# Altium PCB Control Panel PCB v3.PcbDoc (part 1 of 3)
Units mm, origin at the board's own origin, x right, y up, seen from the top; angles counter-clockwise.
Board outline 270.31 x 104.06 mm, 2 copper layers (Top Layer, Bottom Layer); 327 components, 215 nets, 925 pads, 350 vias.
Unrouted connection lines stored in the file: 137.
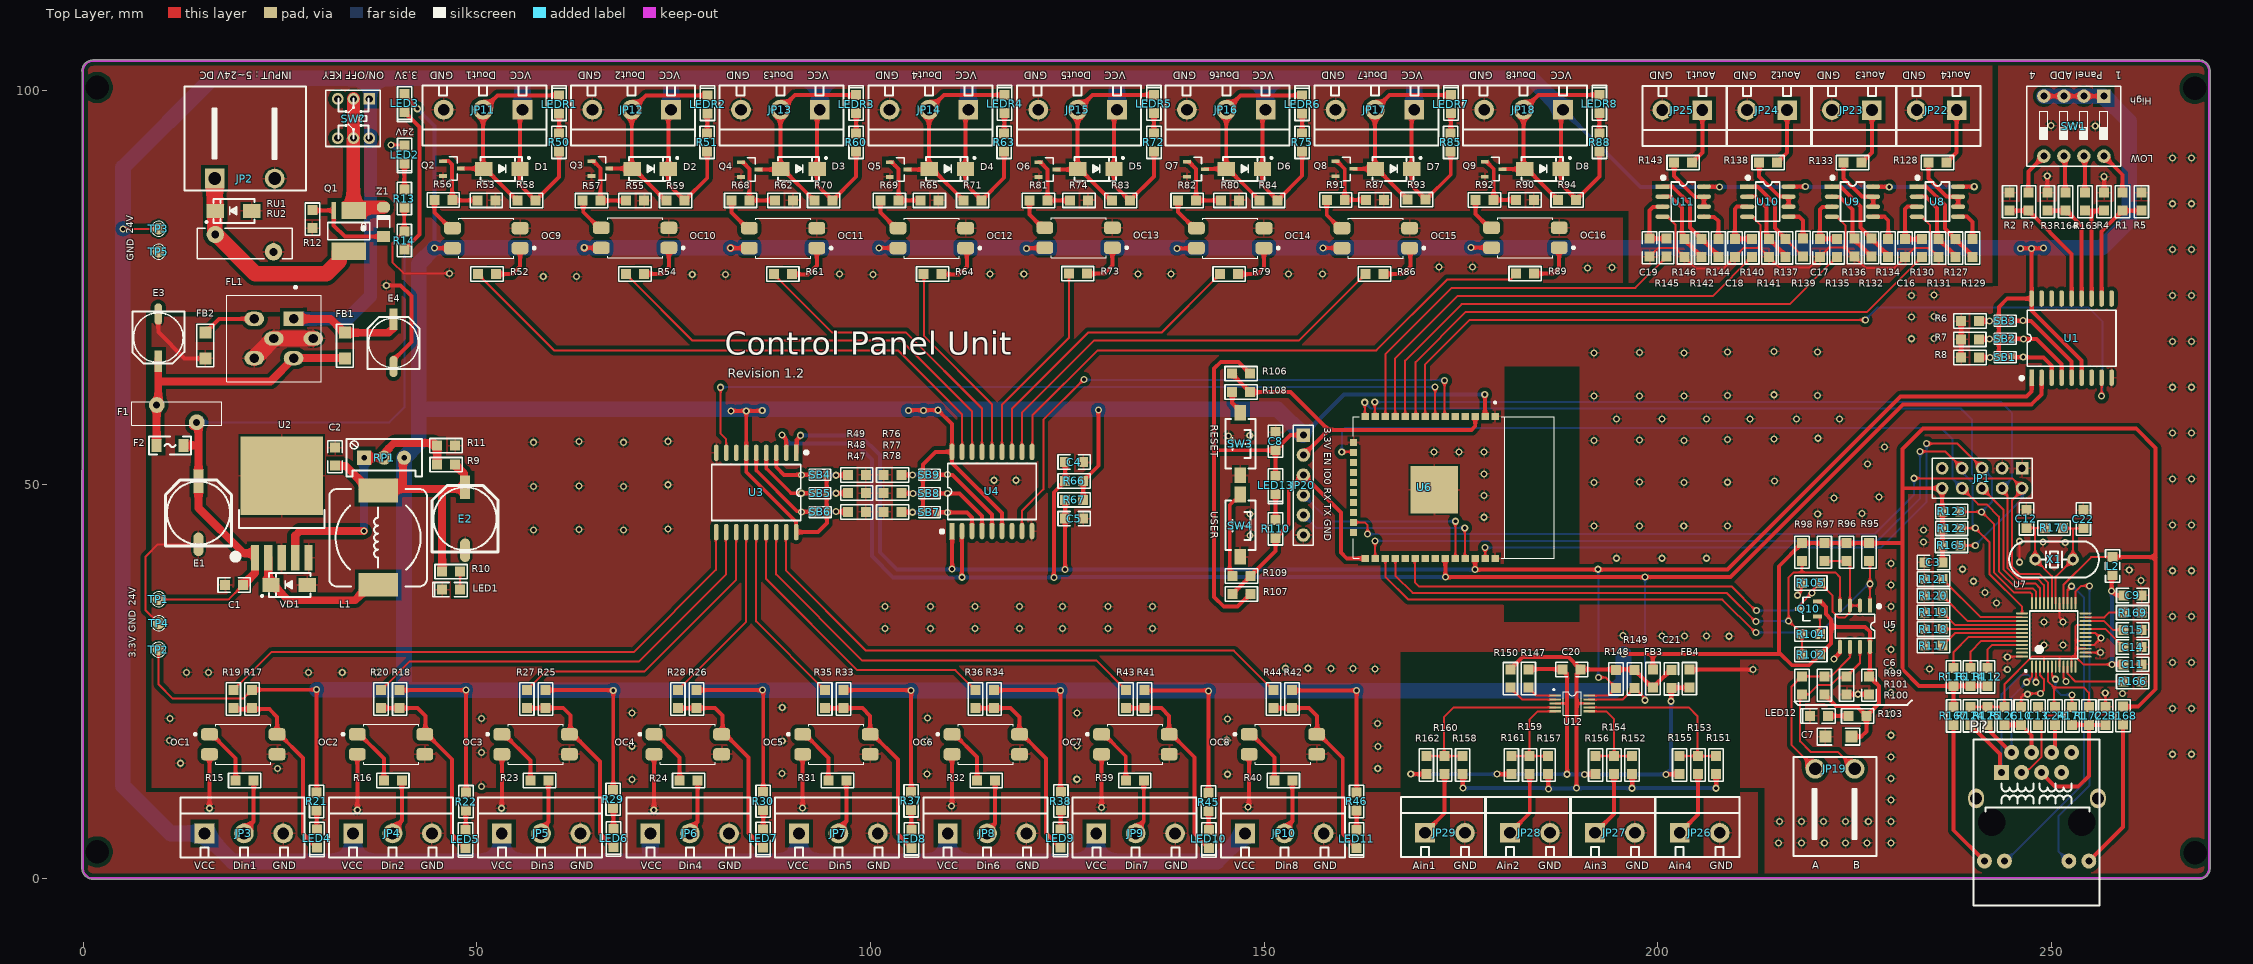
[diagram p0: Top Layer view]
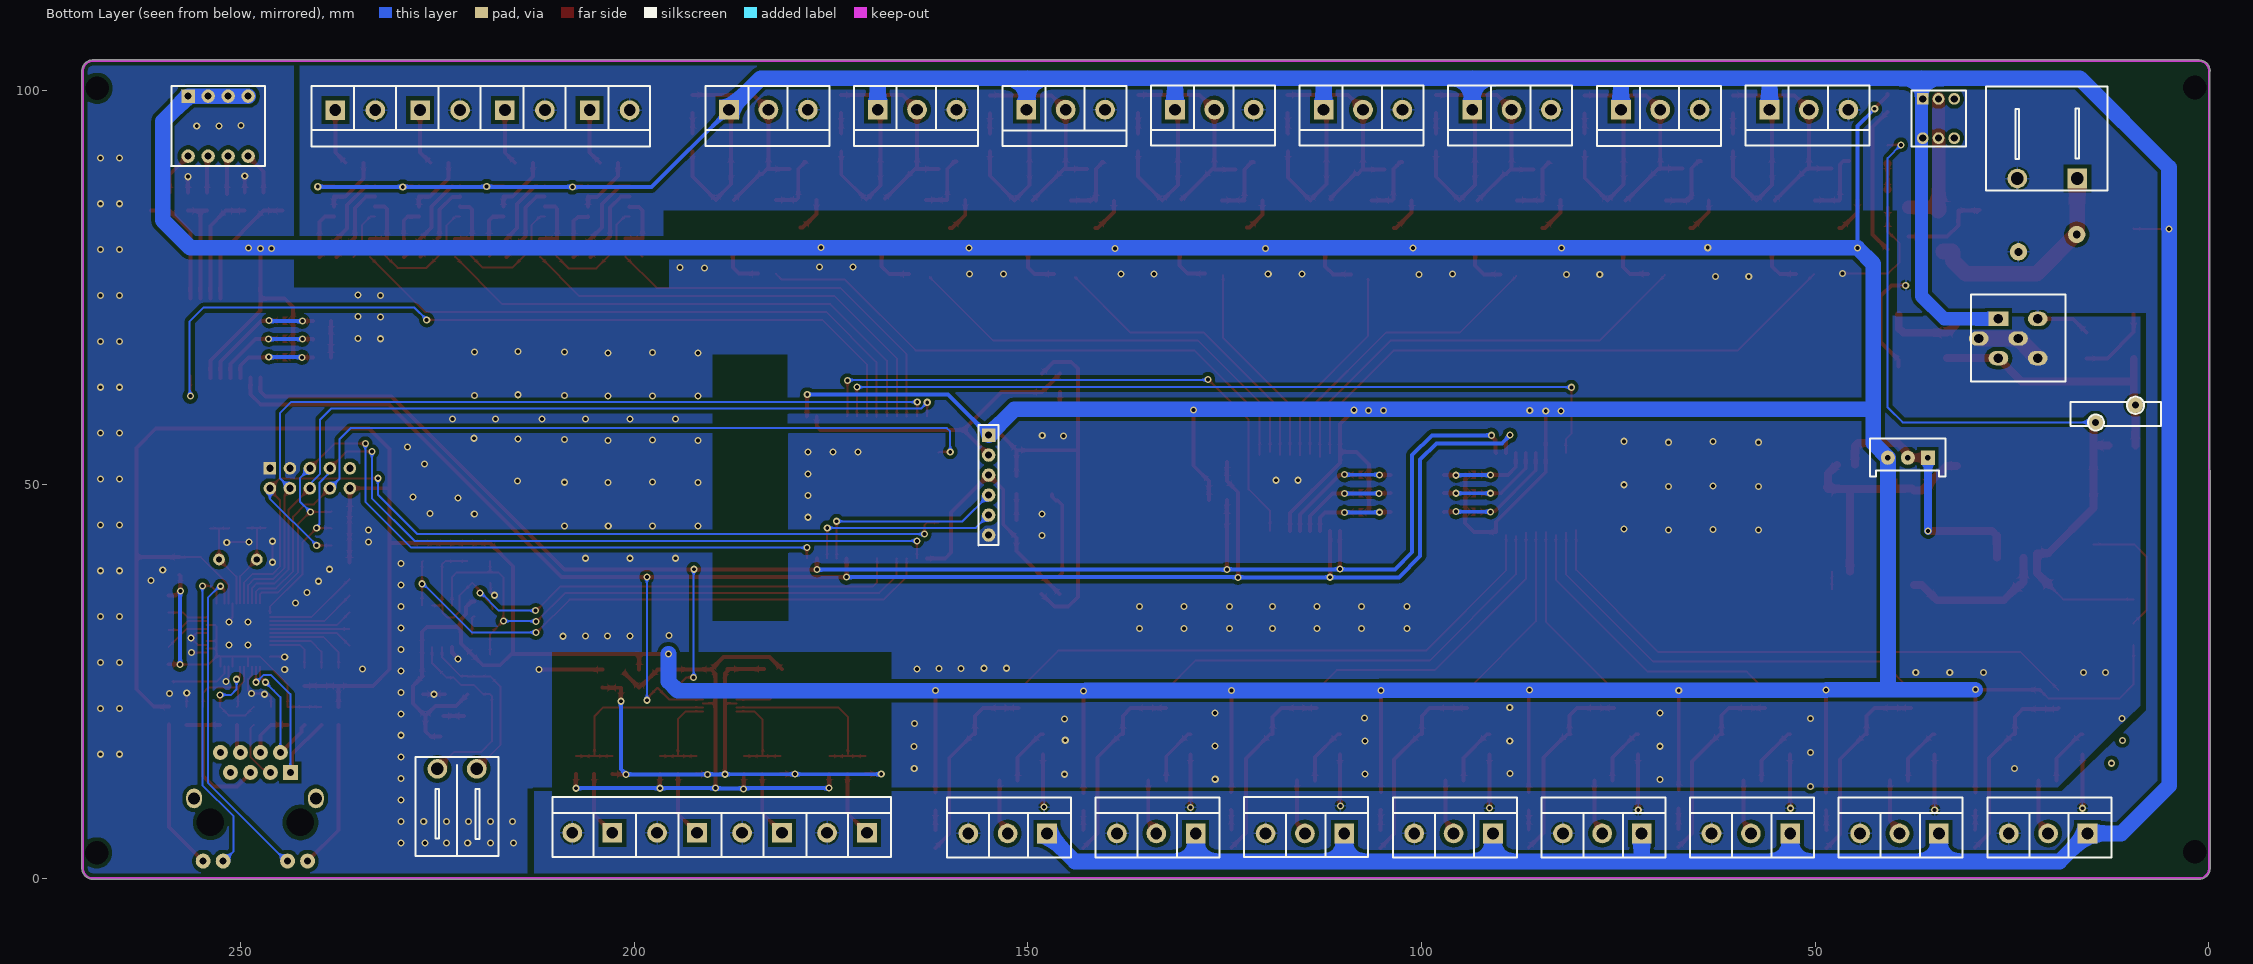
[diagram p1: Bottom Layer view, seen from below]

## Layer stack, top to bottom
Top Solder: solder mask 0.0102, Solder Resist, Dk 3.5
Top Layer: signal copper 0.0356
Dielectric 1: dielectric 0.32, FR-4, Dk 4.8
Bottom Layer: signal copper 0.0356
Bottom Solder: solder mask 0.0102, Solder Resist, Dk 3.5

## Board outline
-0.178,1.271 ccw(c1.206,1.257) 1.115,-0.124 1.143,-0.128 268.732,-0.128 268.737,-0.127 ccw(c268.745,1.257) 270.117,1.072 270.131,1.13 270.131,102.453 270.129,102.552 ccw(c268.745,102.552) 268.836,103.934 268.808,103.937 1.219,103.937 1.141,103.91 ccw(c1.206,102.527) -0.178,102.541 -0.166,102.485

## Design rules (kind name [scope] priority, off if disabled: settings)
Clearance OUT_POLY [InNamedPolygon('GND_BOTTOM') OR InNamedPolygon('GND_TOP')] p1: gap=0.5 ignorepadtopadclearanceinfootprint=FALSE
Clearance Logic_POLY [InNamedPolygon('GND_F_BOTTOM') OR InNamedPolygon('GND_F_TOP')] p2: gap=0.5 ignorepadtopadclearanceinfootprint=FALSE
Clearance [All] p3: gap=0.127 ignorepadtopadclearanceinfootprint=FALSE
ComponentClearance "Schematic Component Clearance Constraint_4" [InComponent('TP5')] p1: gap=0 collisioncheckmode=3 verticalgap=0 showdistances=FALSE
ComponentClearance "Schematic Component Clearance Constraint_3" [InComponent('TP1')] p2: gap=0 collisioncheckmode=3 verticalgap=0 showdistances=FALSE
ComponentClearance "Schematic Component Clearance Constraint_2" [InComponent('TP3')] p3: gap=0 collisioncheckmode=3 verticalgap=0 showdistances=FALSE
ComponentClearance "Schematic Component Clearance Constraint_1" [InComponent('TP4')] p4: gap=0 collisioncheckmode=3 verticalgap=0 showdistances=FALSE
ComponentClearance "Schematic Component Clearance Constraint" [InComponent('TP2')] p5: gap=0 collisioncheckmode=3 verticalgap=0 showdistances=FALSE
ComponentClearance [All] p6: gap=0.254 collisioncheckmode=3 verticalgap=0.254 showdistances=FALSE
HoleSize [All] p1: absolutevalues=TRUE maxlimit=4 minlimit=0.025 maxpercent=80.000 minpercent=20.000
PolygonConnect PolygonConnect_1 [All vs IsNamedPolygon('GND_F_BOTTOM')] p1: connectstyle=Direct reliefconductorwidth=0.254 reliefentries=4 polygonreliefangle="90 Angle" airgapwidth=0.254
PolygonConnect [All] p2: connectstyle=Relief reliefconductorwidth=0.254 reliefentries=4 polygonreliefangle="90 Angle" airgapwidth=0.254
RoutingVias [All] p1: holewidth=0.5 width=0.9 viastyle="Through Hole" minholewidth=0.5 minwidth=0.9 maxholewidth=0.5 maxwidth=0.9
SolderMaskExpansion [All] p1: expansion=0.102 istentingtop=FALSE
Width [All] p1: maxlimit=2 minlimit=0.254 preferedwidth=0.5
28 further rules are at their usual default settings.

## Classes and differential pairs
component class U_W5500: C3 C9 C10 C11 C12 C13 C14 C15 C22 C23 C24 JP1 L2 P? R112 R114 R116 R117 R118 R119 R120 R121 R122 R123 R124 R125 R126 R165 R166 R167 R168 R169 R170 R171 R172 U7 X1
component class "U_Analog Output": C16 C17 C18 C19 JP22 JP23 JP24 JP25 R127 R128 R129 R130 R131 R132 R133 R134 R135 R136 R137 R138 R139 R140 R141 R142 R143 R144 R145 R146 U8 U9 U10 U11
component class "U_Analog Input": C20 C21 FB3 FB4 JP26 JP27 JP28 JP29 R147 R148 R149 R150 R151 R152 R153 R154 R155 R156 R157 R158 R159 R160 R161 R162 U12
component class U_RS485: C6 C7 JP19 LED12 Q10 R95 R96 R97 R98 R99 R100 R101 R102 R103 R104 R105 U5
component class U_ESP32: C8 JP20 LED13 R106 R107 R108 R109 R110 SW3 SW4 U6
component class "U_Power Regulator": C1 C2 E1 E2 E3 E4 F1 F2 FB1 FB2 FL1 JP2 L1 LED1 LED2 LED3 Q1 R9 R10 R11 R12 R13 R14 RP1 RU1 RU2 SW? TP1 TP2 TP3 TP4 TP5 U2 VD1 Z1
component class "U_Digital Output": C4 C5 D1 D2 D3 D4 D5 D6 D7 D8 JP11 JP12 JP13 JP14 JP15 JP16 JP17 JP18 LEDR1 LEDR2 LEDR3 LEDR4 LEDR5 LEDR6 LEDR7 LEDR8 OC9 OC10 OC11 OC12 OC13 OC14 OC15 OC16 Q2 Q3 Q4 Q5 Q6 Q7 Q8 Q9 R50 R51 R52 R53 R54 R55 R56 R57 R58 R59 R60 R61 R62 R63 R64 R65 R66 R67 R68 R69 R70 R71 R72 R73 R74 R75 R76 R77 R78 R79 R80 R81 R82 R83 R84 R85 R86 R87 R88 R89 R90 R91 R92 R93 R94 SB7 SB8 SB9 U4
component class "U_Digital Input": JP3 JP4 JP5 JP6 JP7 JP8 JP9 JP10 LED4 LED5 LED6 LED7 LED8 LED9 LED10 LED11 OC1 OC2 OC3 OC4 OC5 OC6 OC7 OC8 R15 R16 R17 R18 R19 R20 R21 R22 R23 R24 R25 R26 R27 R28 R29 R30 R31 R32 R33 R34 R35 R36 R37 R38 R39 R40 R41 R42 R43 R44 R45 R46 R47 R48 R49 SB4 SB5 SB6 U3
component class Main: R1 R2 R3 R4 R5 R6 R7 R8 R163 R164 R? SB1 SB2 SB3 SW1 U1

## Components (designator, comment, footprint, x,y, rotation, side; value= is the part's Value field where it differs from the comment)
C1 "1uF" "C 0805" 19.156,37.252 r0 top
C2 "1uF" "C 0805" 31.983,53.539 r270 top
C3 "0.1uF" "C 0805" 235.001,40.107 r0 top
C4 "22uF" "C 0805" 125.855,52.857 r180 top
C5 "22uF" "C 0805" 125.855,45.668 r180 top
C6 "0.1uF" "C 0805" 226.827,24.51 r270 top
C7 "10uF" "C 1206" 222.933,17.982 r180 top
C8 "22uF" "C 0805" 151.427,55.506 r90 top
C9 "0.1uF" "C 0805" 260.295,35.916 r180 top
C10 "22nF" "C 0805" 246.146,20.625 r90 top
C11 "0.1uF" "C 0805" 260.295,27.178 r180 top
C12 "18pF" "C 0805" 246.812,45.644 r90 top
C13 "6.8nF" "C 0805" 248.291,20.625 r270 top
C14 "4.7uF" "C 0805" 260.295,29.362 r0 top
C15 "0.01uF" "C 0805" 260.295,31.547 r0 top
C16 "100uF/25V" "C 0805" 231.392,80.034 r270 top
C17 "100uF/25V" "C 0805" 220.571,80.06 r270 top
C18 "100uF/25V" "C 0805" 209.776,80.06 r270 top
C19 "100uF/25V" "C 0805" 198.93,80.085 r270 top
C20 "1uF" "C 0805" 189.05,26.517 r0 top
C21 "1uF" "C 0805" 201.699,25.323 r90 top
C22 "18pF" "C 0805" 254.025,45.618 r90 top
C23 "0.01uF" "C 0805" 256.87,20.625 r90 top
C24 "6.8nF" "C 0805" 250.436,20.625 r270 top
D1 "SS34" SMA 53.16,90.093 r0 top
D2 "SS34" SMA 72.007,90.093 r0 top
D3 "SS34" SMA 90.904,90.093 r0 top
D4 "SS34" SMA 109.751,90.093 r0 top
D5 "SS34" SMA 128.623,90.093 r0 top
D6 "SS34" SMA 147.47,90.093 r0 top
D7 "SS34" SMA 166.418,90.093 r0 top
D8 "SS34" SMA 185.392,90.093 r0 top
E1 "100uF/50V" "CM E(8*10.2)" 14.628,46.405 r90 top
E2 "220uF/35V" "CM E(8*10.2)" 48.493,45.665 r90 top
E3 "10uF" "CM D(6.3*7.7)" 9.523,68.655 r270 top
E4 "22uF" "CM D(6.3*7.7)" 39.393,67.995 r90 top
F1 "PTC" PTC 11.859,59.003 r180 top
F2 "MSMD200-8V 2A" "FU 1206" 11.021,54.965 r180 top
FB1 "?!" "F 1206" 33.221,67.639 r90 top
FB2 "?!" "F 1206" 15.492,67.665 r90 top
FB3 "Value" "F 0805" 199.362,25.348 r270 top
FB4 "Value" "F 0805" 203.985,25.348 r270 top
FL1 "BNX002-01" FIL_BNX002-01 24.204,68.554 r0 top
JP1 "Header 5X2" HDR-5X2 246.253,52.07 r180 top
JP2 "HDR-1X2" KF2EDGK-2P_H_7.62 16.68,88.874 r0 top
JP3 "HDR-1X3" KF301-3P 15.39,5.689 r0 top
JP4 "HDR-1X3" KF301-3P 34.269,5.689 r0 top
JP5 "HDR-1X3" KF301-3P 53.149,5.689 r0 top
JP6 "HDR-1X3" KF301-3P 72.028,5.689 r0 top
JP7 "HDR-1X3" KF301-3P 90.908,5.689 r0 top
JP8 "HDR-1X3" KF301-3P 109.787,5.689 r0 top
JP9 "HDR-1X3" KF301-3P 128.667,5.689 r0 top
JP10 "HDR-1X3" KF301-3P 147.546,5.689 r0 top
JP11 "HDR-1X3" KF301-3P 55.776,97.611 r180 top
JP12 "HDR-1X3" KF301-3P 74.655,97.611 r180 top
JP13 "HDR-1X3" KF301-3P 93.535,97.611 r180 top
JP14 "HDR-1X3" KF301-3P 112.414,97.611 r180 top
JP15 "HDR-1X3" KF301-3P 131.294,97.611 r180 top
JP16 "HDR-1X3" KF301-3P 150.173,97.611 r180 top
JP17 "HDR-1X3" KF301-3P 169.053,97.611 r180 top
JP18 "HDR-1X3" KF301-3P 187.932,97.611 r180 top
JP19 "HDR-1X2" KF2EDGK-2P_H_5.08 224.987,13.893 r180 top
JP20 "HDR-1X6" HDR-1X6 154.957,56.287 r270 top
JP22 "HDR-1X2" KF301-2P 237.945,97.561 r180 top
JP23 "HDR-1X2" KF301-2P 227.175,97.561 r180 top
JP24 "HDR-1X2" KF301-2P 216.406,97.561 r180 top
JP25 "HDR-1X2" KF301-2P 205.636,97.561 r180 top
JP26 "HDR-1X2" KF301-2P 202.766,5.765 r0 top
JP27 "HDR-1X2" KF301-2P 192.005,5.765 r0 top
JP28 "HDR-1X2" KF301-2P 181.201,5.765 r0 top
JP29 "HDR-1X2" KF301-2P 170.406,5.765 r0 top
L1 "470uH" CDRH127 37.444,43.252 r90 top
L2 "1uH" "L 0805" 257.759,39.649 r270 top
LED1 "LED-SMD" "LED 0805R" 46.715,36.648 r180 top
LED2 "LED-SMD" "LED 0805R" 40.815,91.922 r270 top
LED3 "LED-SMD" "LED 0805R" 40.815,98.45 r270 top
LED4 "LED-SMD" "LED 0805B" 29.665,5.054 r270 top
LED5 "LED-SMD" "LED 0805B" 48.537,4.978 r270 top
LED6 "LED-SMD" "LED 0805B" 67.358,5.105 r270 top
LED7 "LED-SMD" "LED 0805B" 86.358,5.054 r270 top
LED8 "LED-SMD" "LED 0805B" 105.204,5.003 r270 top
LED9 "LED-SMD" "LED 0805B" 124.102,5.054 r270 top
LED10 "LED-SMD" "LED 0805B" 142.949,5.003 r270 top
LED11 "LED-SMD" "LED 0805B" 161.719,5.003 r270 top
LED12 "LED-SMD" "LED 0805R" 220.462,20.61 r180 top
LED13 "LED-SMD" "LED 0805B" 151.427,49.93 r270 top
LEDR1 "LED-SMD" "LED 0805B" 60.45,98.297 r90 top
LEDR2 "LED-SMD" "LED 0805B" 79.296,98.297 r90 top
LEDR3 "LED-SMD" "LED 0805B" 98.169,98.323 r90 top
LEDR4 "LED-SMD" "LED 0805B" 117.015,98.348 r90 top
LEDR5 "LED-SMD" "LED 0805B" 135.964,98.348 r90 top
LEDR6 "LED-SMD" "LED 0805B" 154.811,98.297 r90 top
LEDR7 "LED-SMD" "LED 0805B" 173.708,98.323 r90 top
LEDR8 "LED-SMD" "LED 0805B" 192.555,98.348 r90 top
OC1 "817" PC817-SMD 20.318,17.017 r0 top
OC2 "817" PC817-SMD 39.088,17.017 r0 top
OC3 "817" PC817-SMD 57.452,17.017 r0 top
OC4 "817" PC817-SMD 76.782,17.017 r0 top
OC5 "817" PC817-SMD 95.654,17.017 r0 top
OC6 "817" PC817-SMD 114.63,17.017 r0 top
OC7 "817" PC817-SMD 133.627,17.017 r0 top
OC8 "817" PC817-SMD 152.372,17.017 r0 top
OC9 "817" PC817-SMD 51.179,81.305 r180 top
OC10 "817" PC817-SMD 70.084,81.33 r180 top
OC11 "817" PC817-SMD 88.877,81.305 r180 top
OC12 "817" PC817-SMD 107.775,81.305 r180 top
OC13 "817" PC817-SMD 126.419,81.355 r180 top
OC14 "817" PC817-SMD 145.672,81.305 r180 top
OC15 "817" PC817-SMD 164.16,81.305 r180 top
OC16 "817" PC817-SMD 183.162,81.355 r180 top
P? "RJ45" RJ-45A12 241.478,2.184 r270 top
Q1 "FDS4435BZ" SOP8-E3 33.703,82.219 r180 top
Q2 "2N7002-K" SOT23-3L 46.81,90.144 r270 top
Q3 "2N7002-K" SOT23-3L 65.682,90.144 r270 top
Q4 "2N7002-K" SOT23-3L 84.656,90.017 r270 top
Q5 "2N7002-K" SOT23-3L 103.579,90.017 r270 top
Q6 "2N7002-K" SOT23-3L 122.469,90.017 r270 top
Q7 "2N7002-K" SOT23-3L 141.323,90.068 r270 top
Q8 "2N7002-K" SOT23-3L 160.195,90.093 r270 top
Q9 "2N7002-K" SOT23-3L 179.144,90.068 r270 top
Q10 "SS8550" SOT23-3N 219.127,34.21 r90 top
R1 "1K" "R 0805" 259.001,85.927 r270 top
R2 "10K" "R 0805" 244.676,85.927 r270 top
R3 "10K" "R 0805" 249.451,85.927 r270 top
R4 "10K" "R 0805" 256.665,85.928 r270 top
R5 "10K" "R 0805" 261.389,85.928 r90 top
R6 "10K" "R 0805" 239.647,70.764 r0 top
R7 "10K" "R 0805" 239.621,68.452 r0 top
R8 "10K" "R 0805" 239.647,66.141 r180 top
R9 "5.3K" "R 0805" 46.08,52.523 r0 top
R10 "1K" "R 0805" 46.715,38.934 r180 top
R11 "3.3K" "R 0805" 46.073,54.939 r180 top
R12 "1K" "R 0805" 29.106,83.718 r90 top
R13 "10K" "R 0805" 40.765,86.334 r270 top
R14 "1K" "R 0805" 40.764,81 r90 top
R15 "10K" "R 0805" 20.495,12.394 r0 top
R16 "10K" "R 0805" 39.317,12.394 r0 top
R17 "10K" "R 0805" 21.41,22.758 r270 top
R18 "10K" "R 0805" 40.18,22.758 r270 top
R19 "1k" "R 0805" 19.048,22.758 r270 top
R20 "1k" "R 0805" 37.818,22.758 r270 top
R21 "1k" "R 0805" 29.639,9.753 r270 top
R22 "1k" "R 0805" 48.613,9.727 r270 top
R23 "10K" "R 0805" 57.935,12.394 r0 top
R24 "10K" "R 0805" 76.883,12.394 r0 top
R25 "10K" "R 0805" 58.697,22.758 r270 top
R26 "10K" "R 0805" 77.874,22.758 r270 top
R27 "1k" "R 0805" 56.335,22.758 r270 top
R28 "1k" "R 0805" 75.512,22.758 r270 top
R29 "1k" "R 0805" 67.308,10.032 r270 top
R30 "1k" "R 0805" 86.358,9.778 r270 top
R31 "10K" "R 0805" 95.781,12.394 r0 top
R32 "10K" "R 0805" 114.679,12.394 r0 top
R33 "10K" "R 0805" 96.543,22.758 r270 top
R34 "10K" "R 0805" 115.669,22.758 r270 top
R35 "1k" "R 0805" 94.181,22.758 r270 top
R36 "1k" "R 0805" 113.307,22.758 r270 top
R37 "1k" "R 0805" 105.154,9.829 r270 top
R38 "1k" "R 0805" 124.153,9.804 r270 top
R39 "10K" "R 0805" 133.551,12.394 r0 top
R40 "10K" "R 0805" 152.423,12.394 r0 top
R41 "10K" "R 0805" 134.795,22.758 r270 top
R42 "10K" "R 0805" 153.515,22.758 r270 top
R43 "1k" "R 0805" 132.433,22.758 r270 top
R44 "1k" "R 0805" 151.153,22.758 r270 top
R45 "1k" "R 0805" 142.923,9.677 r270 top
R46 "1k" "R 0805" 161.745,9.753 r270 top
R47 "10K" "R 0805" 98.245,46.532 r180 top
R48 "10K" "R 0805" 98.245,48.919 r180 top
R49 "10K" "R 0805" 98.245,51.231 r0 top
R50 "10k" "R 0805" 60.424,93.471 r270 top
R51 "10k" "R 0805" 79.246,93.471 r270 top
R52 "1k" "R 0805" 51.28,76.733 r180 top
R53 "10k" "R 0805" 51.178,86.105 r180 top
R54 "1k" "R 0805" 70.076,76.758 r180 top
R55 "10k" "R 0805" 70.076,86.054 r180 top
R56 "2.2K" "R 0805" 45.718,86.156 r180 top
R57 "2.2K" "R 0805" 64.539,86.054 r180 top
R58 "10k" "R 0805" 56.284,86.08 r180 top
R59 "10k" "R 0805" 75.232,86.054 r180 top
R60 "10k" "R 0805" 98.169,93.471 r270 top
R61 "1k" "R 0805" 88.847,76.733 r180 top
R62 "10k" "R 0805" 88.974,86.105 r180 top
R63 "10k" "R 0805" 116.965,93.471 r270 top
R64 "1k" "R 0805" 107.871,76.733 r180 top
R65 "10k" "R 0805" 107.465,86.105 r180 top
R66 "10K" "R 0805" 125.854,50.46 r180 top
R67 "10K" "R 0805" 125.854,48.064 r180 top
R68 "2.2K" "R 0805" 83.487,86.105 r180 top
R69 "2.2K" "R 0805" 102.385,86.105 r180 top
R70 "10k" "R 0805" 94.028,86.105 r180 top
R71 "10k" "R 0805" 112.951,86.105 r180 top
R72 "10k" "R 0805" 135.989,93.471 r270 top
R73 "1k" "R 0805" 126.312,76.783 r180 top
R74 "10k" "R 0805" 126.464,86.105 r180 top
R75 "10k" "R 0805" 154.811,93.471 r270 top
R76 "10K" "R 0805" 102.791,51.231 r0 top
R77 "10K" "R 0805" 102.791,48.92 r0 top
R78 "10K" "R 0805" 102.791,46.532 r180 top
R79 "1k" "R 0805" 145.54,76.733 r180 top
R80 "10k" "R 0805" 145.641,86.105 r180 top
R81 "2.2K" "R 0805" 121.333,86.08 r180 top
R82 "2.2K" "R 0805" 140.206,86.08 r180 top
R83 "10k" "R 0805" 131.773,86.08 r180 top
R84 "10k" "R 0805" 150.543,86.105 r180 top
R85 "10k" "R 0805" 173.683,93.471 r270 top
R86 "1k" "R 0805" 164.005,76.758 r180 top
R87 "10k" "R 0805" 164.056,86.156 r180 top
R88 "10k" "R 0805" 192.58,93.471 r270 top
R89 "10k" "R 0805" 183.132,76.783 r180 top
R90 "10k" "R 0805" 183.106,86.156 r180 top
R91 "2.2K" "R 0805" 159.078,86.156 r180 top
R92 "2.2K" "R 0805" 177.975,86.156 r180 top
R93 "10k" "R 0805" 169.365,86.181 r180 top
R94 "10k" "R 0805" 188.466,86.156 r180 top
R95 "10K" "R 0805" 226.827,41.41 r90 top
R96 "10K" "R 0805" 223.982,41.41 r90 top
R97 "10K" "R 0805" 221.137,41.41 r90 top
R98 "10K" "R 0805" 218.292,41.41 r90 top
R99 "120" "R 0805" 223.982,24.51 r90 top
R100 "120" "R 0805" 218.292,24.51 r90 top
R101 "120" "R 0805" 221.137,24.51 r270 top
R102 "220K" "R 0805" 219.427,28.41 r180 top
R103 "1K" "R 0805" 225.362,20.61 r180 top
R104 "7.5K" "R 0805" 219.427,31.01 r0 top
R105 "20K" "R 0805" 219.427,37.51 r0 top
R106 "10K" "R 0805" 147.058,64.085 r0 top
R107 "10K" "R 0805" 147.083,36.094 r0 top
R108 "1K" "R 0805" 147.066,61.749 r0 top
R109 "1K" "R 0805" 147.109,38.406 r0 top
R110 "1K" "R 0805" 151.427,44.369 r270 top
R112 "10K" "R 0805" 241.884,25.578 r270 top
R114 "10K" "R 0805" 239.712,25.578 r270 top
R116 "10K" "R 0805" 237.541,25.578 r270 top
R117 "10K" "R 0805" 235.001,29.54 r180 top
R118 "10K" "R 0805" 235.001,31.653 r180 top
R119 "10K" "R 0805" 235.001,33.767 r180 top
R120 "10K" "R 0805" 235.001,35.88 r180 top
R121 "10K" "R 0805" 235.001,37.993 r180 top
R122 "10K" "R 0805" 237.312,44.45 r180 top
R123 "10K" "R 0805" 237.312,46.584 r180 top
R124 "51R" "R 0805" 239.711,20.625 r90 top
R125 "51R" "R 0805" 241.856,20.625 r270 top
R126 "10R" "R 0805" 244.001,20.625 r270 top
R127 "10K" "R 0805" 237.792,80.035 r90 top
R128 "1K" "R 0805" 235.506,90.88 r0 top
R129 "1K" "R 0805" 239.951,80.035 r90 top
R130 "5.1K" "R 0805" 233.525,80.035 r90 top
R131 "10K" "R 0805" 235.659,80.034 r270 top
R132 "10K" "R 0805" 227.124,80.085 r90 top
R133 "1K" "R 0805" 224.711,90.88 r0 top
R134 "1K" "R 0805" 229.233,80.06 r90 top
R135 "5.1K" "R 0805" 222.73,80.06 r90 top
R136 "10K" "R 0805" 224.94,80.085 r270 top
R137 "10K" "R 0805" 216.215,80.06 r90 top
R138 "1K" "R 0805" 213.993,90.88 r0 top
R139 "1K" "R 0805" 218.412,80.111 r90 top
R140 "5.1K" "R 0805" 211.922,80.06 r90 top
R141 "10K" "R 0805" 214.094,80.06 r270 top
R142 "10K" "R 0805" 205.56,80.06 r90 top
R143 "1K" "R 0805" 203.198,90.88 r0 top
R144 "1K" "R 0805" 207.668,80.06 r90 top
R145 "5.1K" "R 0805" 201.096,80.085 r90 top
R146 "10K" "R 0805" 203.35,80.06 r270 top
R147 "10K" "R 0805" 183.538,25.374 r270 top
R148 "10K" "R 0805" 194.663,25.323 r90 top
R149 "10K" "R 0805" 197.025,25.323 r90 top
R150 "10K" "R 0805" 181.252,25.348 r90 top
R151 "10K" "R 0805" 207.389,14.376 r270 top
R152 "10K" "R 0805" 196.721,14.376 r270 top
R153 "10K" "R 0805" 205.077,14.376 r270 top
R154 "10K" "R 0805" 194.409,14.376 r270 top
R155 "10K" "R 0805" 202.766,14.376 r270 top
R156 "10K" "R 0805" 192.098,14.376 r270 top
R157 "10K" "R 0805" 186.053,14.376 r270 top
R158 "10K" "R 0805" 175.207,14.376 r270 top
R159 "10K" "R 0805" 183.716,14.376 r270 top
R160 "10K" "R 0805" 172.895,14.376 r270 top
R161 "10K" "R 0805" 181.379,14.376 r270 top
R162 "10K" "R 0805" 170.584,14.376 r270 top
R163 "1K" "R 0805" 254.252,85.927 r270 top
R164 "1K" "R 0805" 251.788,85.927 r270 top
R165 "10K" "R 0805" 237.287,42.291 r180 top
R166 "12.4K 1%" "R 0805" 260.295,24.994 r180 top
R167 "1K" "R 0805" 237.566,20.625 r90 top
R168 "1K" "R 0805" 259.055,20.641 r90 top
R169 "10K" "R 0805" 260.295,33.731 r0 top
R170 "1M" "R 0805" 250.317,44.501 r180 top
R171 "82R" "R 0805" 252.58,20.625 r90 top
R172 "82R" "R 0805" 254.725,20.625 r270 top
R? "1K" "R 0805" 247.063,85.927 r270 top
RP1 "10K" 3296W 38.206,53.412 r0 top
RU1 "25v" SMA 19.073,84.759 r180 top
RU2 "*" "Varistor Short Hieght - Straight" 24.462,80.662 r180 top
SB1 "Solder Bridge" "Solder Bridge Open" 244.324,68.453 r0 top
SB2 "Solder Bridge" "Solder Bridge Open" 244.324,70.789 r0 top
SB3 "Solder Bridge" "Solder Bridge Open" 244.324,73.075 r0 top
SB4 "Solder Bridge" "Solder Bridge Open" 93.372,48.982 r180 top
SB5 "Solder Bridge" "Solder Bridge Open" 93.372,46.634 r180 top
SB6 "Solder Bridge" "Solder Bridge Open" 93.422,44.246 r180 top
SB7 "Solder Bridge" "Solder Bridge Open" 107.668,48.767 r0 top
SB8 "Solder Bridge" "Solder Bridge Open" 107.668,51.155 r0 top
SB9 "Solder Bridge" "Solder Bridge Open" 107.668,53.503 r0 top
SW1 "CSW-4P" "CSW DIP-4P_G" 252.829,95.529 r180 top
SW3 "3x6x5" "TSW SMD-3*6*2.5" 146.959,55.135 r270 top
SW4 "3x6x5" "TSW SMD-3*6*2.5" 146.959,44.756 r270 top
SW? "KET 7X7" "KFT DIP-7X7" 34.315,96.495 r270 top
TP1 "Test Point Pad" TP15 9.548,35.432 r90 top
TP2 "Test Point Pad" TP15 9.548,29.031 r90 top
TP3 "Test Point Pad" TP15 9.548,82.498 r90 top
TP4 "Test Point Pad" TP15 9.573,32.384 r90 top
TP5 "Test Point Pad" TP15 9.548,79.577 r90 top
U1 "MCP23008" SOP18W_M 252.55,68.605 r90 top
U2 "LM2596-ADJ" TO263-5A 25.203,40.712 r0 top
U3 "MCP23008" SOP18W_M 85.469,48.996 r270 top
U4 "MCP23008" SOP18W_M 115.415,49.123 r90 top
U5 "MAX485" SOP8_N 225.027,32.01 r270 top
U6 "ESP32S" ESP32S 161.3,80.953 r270 top
U7 "SPI Ethernet IC" "LQFP48 7X7_L" 250.278,30.898 r0 top
U8 "LM358" SOP8_N 235.506,85.927 r0 top
U9 "LM358" SOP8_N 224.711,85.927 r0 top
U10 "LM358" SOP8_N 213.967,85.927 r0 top
U11 "LM358" SOP8_N 203.214,85.927 r0 top
U12 "ADS1115" VSSOP10-N 189.126,22.199 r0 top
VD1 "SS34" SMA 26.141,37.252 r180 top
X1 "25M" XTAL-HC49S-THD 250.317,40.488 r180 top
Z1 "1N4106" DO-213AA 38.123,83.362 r90 top

## Footprints (in the part's own frame and the unit in brackets; to place one, negate y for a bottom-side part, rotate by r counter-clockwise, add the part's x,y. Pads: shape width x height; smd on the part's side, far side on the other; paste and mask are expansions set on the pad)
3296W [mm] "Precise Multi-Winding Adjustable Resistor"
  rect 1.8x1.8 hole 0.7: 1(-2.54,0)
  round 1.8 hole 0.7: 2(2.54,0) ADJ(0,0)
  silkscreen extent -4.8,-2.4 4.8,2.4, body extent -4.75,-2.4 4.75,2.4, height 11.52
"C 0805" [mil] "ï؟½ق¼ï؟½ï؟½ï؟½ï؟½ï؟½ئ¬ï؟½ï؟½ï؟½ï؟½"
  rect 50x50 smd: 1(-45,0) 2(45,0)
  silkscreen extent -81,-36 81,36, body extent -39,-24 39,24, height 20
"C 1206" [mil] "ï؟½ق¼ï؟½ï؟½ï؟½ï؟½ï؟½ئ¬ï؟½ï؟½ï؟½ï؟½"
  rect 60x60 smd: 1(-65,0) 2(65,0)
  silkscreen extent -107,-42 107,42, body extent -63,-32 63,32, height 48
CDRH127 [mm] "12*12*8mmï؟½ï؟½ï؟½ï؟½ï؟½ï؟½ك£ï؟½"
  rect 3x5 smd: 1(-6,0) 2(6,0)
  silkscreen extent -6.2,-6.2 6.2,6.2, body extent -6,-6 6,6, height 7.8
"CM D(6.3*7.7)" [mm] "ï¿½ï¿½Æ¬ï¿½ï¿½ï¿½ï¿½ï¿½Ý£ï¿½Ö±ï¿½ï¿½6.3mmï¿½ï"
  rect 2.7x1 smd: 1(3,0)
  oval 2.7x1 smd: 2(-3,0)
  silkscreen extent -3.3,-3.3 3.3,3.3, body extent -3.5,-3.3 3.5,3.3, height 7.7
"CM E(8*10.2)" [mm] "ï؟½ï؟½ئ¬ï؟½ï؟½ï؟½ï؟½ï؟½ف£ï؟½ض±ï؟½ï؟½8mmï؟½ï؟½"
  rect 3x1.3 smd: 1(4,0)
  oval 3x1.3 smd: 2(-4,0)
  silkscreen extent -4.2,-4.2 4.2,4.2, body extent -4.5,-4.15 4.5,4.15, height 10.2
"CSW DIP-4P_G" [mm] "11.7*9.9*7mm"
  rect 1.7x1.7 hole 0.9: 1(-3.81,-3.81)
  round 1.7 hole 0.9: 2(-1.27,-3.81) 3(1.27,-3.81) 4(3.81,-3.81) 5(3.81,3.81) 6(1.27,3.81) 7(-1.27,3.81) 8(-3.81,3.81)
  silkscreen extent -5.97,-5.08 5.97,5.08, body extent -5.86,-4.95 5.86,4.95, height 6.65
DO-213AA [mm] "1.5*3.5mm(ض±¾¶£¬½إ¾à£©"
  rect 1.37x1.62 smd: 1(-1.855,0)
  oct 1.37x1.62 smd: 2(1.855,0)
  silkscreen extent -0.76,-0.8 0.78,0.8, body extent -1.75,-0.75 1.75,0.75, height 1.53
ESP32S [mm] "ESP32S-Module"
  rect 0.9x0.9 smd: 1(22.301,18.034) 2(22.301,16.764) 3(22.301,15.494) 4(22.301,14.224) 5(22.301,12.954) 6(22.301,11.684) 7(22.301,10.414) 8(22.301,9.144) 9(22.301,7.874) 10(22.301,6.604) 11(22.301,5.334) 12(22.301,4.064) 13(22.301,2.794) 14(22.301,1.524) 15(25.601,0.034) 16(26.871,0.034) 17(28.141,0.034) 18(29.411,0.034) 19(30.681,0.034) 20(31.951,0.034) 21(33.221,0.034) 22(34.491,0.034) 23(35.761,0.034) 24(37.031,0.034) 25(40.335,1.524) 26(40.335,2.794) 27(40.335,4.064) 28(40.335,5.334) 29(40.335,6.604) 30(40.335,7.874) 31(40.335,9.144) 32(40.335,10.414) 33(40.335,11.684) 34(40.335,12.954) 35(40.335,14.224) 36(40.335,15.494) 37(40.335,16.764) 38(40.335,18.034)
  rect 6x6 smd: 39(31.601,10.3)
  silkscreen extent 20.44,0.03 40.32,25.53, body extent 22.31,0.02 40.31,25.52, height 2.84
"F 0805" [mm]
  rect 1.27x1.27 smd: 1(-1.143,0) 2(1.143,0)
  silkscreen extent -2.05,-0.91 2.05,0.91, body extent -1,-0.62 1,0.63, height 0.5
"F 1206" [mil]
  rect 60x60 smd: 1(-65,0) 2(65,0)
  silkscreen extent -107,-42 107,42, body extent -63,-31 63,32, height 22
FIL_BNX002-01 [mm]
  rect 2.5x1.8 hole 1.2: 1(2.5,2.5)
  oval 2.5x1.8 hole 1.2: 2(2.5,-2.5) 3(-2.5,2.5) 4(5,0) 5(-2.5,-2.5) 6(0,0)
  silkscreen extent -6,-5.5 6,6.65, body extent -6,-5.5 6,5.5, height 8.6
"FU 1206" [mil] "ÌùÆ¬±£ÏÕË¿"
  rect 50x65 smd: 1(-67.5,0) 2(67.5,0)
  silkscreen extent -105,-45 105,45, body extent -63,-32 63,32, height 34
HDR-1X6 [mm] "ï؟½ï؟½ï؟½ë£¬6ï؟½ï؟½"
  rect 1.7x1.7 hole 0.9: 1(0,0)
  round 1.7 hole 0.9: 2(2.54,0) 3(5.08,0) 4(7.62,0) 5(10.16,0) 6(12.7,0)
  silkscreen extent -1.27,-1.27 13.97,1.27, body extent -1.27,-1.27 13.97,1.27, height 8.5
HDR-5X2 [mm] "Ë«ï¿½ï¿½ï¿½ï¿½ï¿½ë£¬5x2ï¿½ï¿½"
  rect 1.6x1.6 hole 0.9: 1(0,0)
  round 1.6 hole 0.9: 2(0,2.54) 3(2.54,0) 4(2.54,2.54) 5(5.08,0) 6(5.08,2.54) 7(7.62,0) 8(7.62,2.54) 9(10.16,0) 10(10.16,2.54)
  silkscreen extent -1.27,-1.27 11.43,3.81, body extent -1.27,-1.27 11.43,3.81, height 8.5
KF2EDGK-2P_H_5.08 [mm] "ï؟½ï؟½ا²ï؟½ï؟½ت½ï؟½ï؟½ï؟½ï؟½"
  round 2.5 hole 1.6: 1(0,0) 2(5,0)
  silkscreen extent -2.79,-1.52 7.75,11.05, body extent -2.54,-0.5 7.54,10.8, height 8.5
KF2EDGK-2P_H_7.62 [mm] "ï؟½ï؟½ا²ï؟½ï؟½ت½ï؟½ï؟½ï؟½ï؟½"
  rect 2.5x2.5 hole 1.6: 1(0,0)
  round 2.5 hole 1.6: 2(7.625,0)
  silkscreen extent -3.8,-1.52 11.58,11.7, body extent -3.78,-0.61 11.47,11.59, height 8.04
KF301-2P [mm] "ï؟½ï؟½ئ´ï؟½س¶ï؟½ï؟½ï؟½/6A"
  rect 2.5x2.5 hole 1.5: 1(0,0)
  round 2.5 hole 1.5: 2(5.08,0)
  silkscreen extent -3.05,-3.05 7.62,4.57, body extent -2.87,-3 7.63,4.6, height 10.05
KF301-3P [mm] "ï؟½ï؟½ئ´ï؟½س¶ï؟½ï؟½ï؟½/6A"
  rect 2.5x2.5 hole 1.5: 1(0,0)
  round 2.5 hole 1.5: 2(5,0) 3(10,0)
  silkscreen extent -3.05,-3.05 12.7,4.57, body extent -2.87,-3 12.63,4.6, height 10.05
"KFT DIP-7X7" [mm] "7*7mmï¿½ï¿½ï¿½ï¿½"
  rect 1.5x1.5 hole 0.9: 1(-2.5,2)
  round 1.5 hole 0.9: 2(-2.5,0) 3(-2.5,-2) 4(2.5,-2) 5(2.5,0) 6(2.5,2)
  silkscreen extent -3.58,-3.51 3.56,3.42, body extent -3.5,-3.5 3.5,3.5, height 11.2
"L 0805" [mm] "Ð¡¹¦ÂÊÌùÆ¬µç¸Ð"
  rect 1.27x1.27 smd: 1(-1.143,0) 2(1.143,0)
  silkscreen extent -2.05,-0.91 2.05,0.91, body extent -1,-0.6 1,0.6, height 0.9
"LED 0805B" [mil] "ï؟½ï؟½ة«0805LED"
  rect 50x50 smd: 1(-45,0) 2(45,0)
  silkscreen extent -81,-36 92,36, body extent -39,-25 39,25, height 32
"LED 0805R" [mil] "ï؟½ï؟½ة«0805LED"
  rect 50x50 smd: 1(-45,0) 2(45,0)
  silkscreen extent -81,-36 92,36, body extent -39,-25 39,25, height 32
"LQFP48 7X7_L" [mm] "48½Å£¬Ìå¿í7x7mm£¬½Å¾à0.5mm"
  oval 0.25x1.55 smd: 1(-2.75,-4.025) 2(-2.25,-4.025) 3(-1.75,-4.025) 4(-1.25,-4.025) 5(-0.75,-4.025) 6(-0.25,-4.025) 7(0.25,-4.025) 8(0.75,-4.025) 9(1.25,-4.025) 10(1.75,-4.025) 11(2.25,-4.025) 12(2.75,-4.025) 25(2.75,4.025) 26(2.25,4.025) 27(1.75,4.025) 28(1.25,4.025) 29(0.75,4.025) 30(0.25,4.025) 31(-0.25,4.025) 32(-0.75,4.025) 33(-1.25,4.025) 34(-1.75,4.025) 35(-2.25,4.025) 36(-2.75,4.025)
  oval 1.55x0.25 smd: 13(4.025,-2.75) 14(4.025,-2.25) 15(4.025,-1.75) 16(4.025,-1.25) 17(4.025,-0.75) 18(4.025,-0.25) 19(4.025,0.25) 20(4.025,0.75) 21(4.025,1.25) 22(4.025,1.75) 23(4.025,2.25) 24(4.025,2.75) 37(-4.025,2.75) 38(-4.025,2.25) 39(-4.025,1.75) 40(-4.025,1.25) 41(-4.025,0.75) 42(-4.025,0.25) 43(-4.025,-0.25) 44(-4.025,-0.75) 45(-4.025,-1.25) 46(-4.025,-1.75) 47(-4.025,-2.25) 48(-4.025,-2.75)
  silkscreen extent -3.68,-4.7 3.05,3.05, body extent -4.5,-4.5 4.5,4.5, height 1.45
PC817-SMD [mm]
  rrect50% 2.13x1.57 smd: 1(-4.29,1.27) 2(-4.29,-1.27) 3(4.29,-1.27) 4(4.29,1.27)
  silkscreen extent -6.25,-2.54 3.5,2.54, body extent -4.87,-2.29 4.87,2.29, height 4
PTC [mm]
  round 2 hole 0.889: 1(-2.54,1.1) 2(2.54,-1.1)
  silkscreen extent -5.7,-1.5 5.7,1.5, body extent -5.71,-1.52 5.72,1.52, height 18.86
"R 0805" [mm] "1/8Wï؟½ï؟½ئ¬ï؟½ï؟½ï؟½ï؟½"
  rect 1.27x1.27 smd: 1(-1.143,0) 2(1.143,0)
  silkscreen extent -2.05,-0.91 2.05,0.91, body extent -1,-0.62 1,0.63, height 0.5
RJ-45A12 [mil] "ï¿½ï¿½ï¿½ß½Ó¿ï¿½"
  oval 98.43x78.74 hole 59.06: 0(-312.99,567.32) 0(-312.99,-42.13)
  round 130 hole 137.8: 0(-192.91,485.83) 0(-192.91,35.83)
  rect 75x75 hole 35.43: 1(-442.91,85.83)
  round 75 hole 35.43: 2(-542.91,135.83) 3(-442.91,185.83) 4(-542.91,235.83) 5(-442.91,285.83) 6(-542.91,335.83) 7(-442.91,385.83) 8(-542.91,435.83) 9(0,0) 10(0,100) 11(0,421.65) 12(0,521.65)
  silkscreen extent -608,-54 222,576, body extent -605,-53 237,572, height 59
SMA [mm] "4.5x2.6*2.2mm£¨³¤؟ي¸ك£¬²»°üہ¨ز‎½إ£©"
  rect 2.2x1.75 smd: 1(-2.3,0) 2(2.3,0)
  silkscreen extent -2.7,-1.52 3.56,1.52, body extent -2.53,-1.3 2.58,1.3, height 2.15
"Solder Bridge Open" [mil]
  rect 30x40 smd: 1(-40.15,-90.01) 2(23.85,-90.01)
  Top Layer region: -13.15,-70.01 7.42,-90.01 -13.15,-110.01 11.2,-110.01 11.2,-70.01
  Top Layer region: -25.15,-70.01 -4.85,-89.99 -25.15,-110.01
  silkscreen extent -62,-117 47,-62
SOP8-E3 [mm]
  rect 3.15x2.2 smd mask+0: 1-3(-0.635,-2.6)
  rect 0.6x2.2 smd: 4(1.905,-2.6)
  rect 4.4x2.2 smd mask+0: 5-8(0,2.6)
  silkscreen extent -2.67,-1.07 2.67,1.14, body extent -2.46,-3.07 2.54,2.93, height 1.9
SOP8_N [mm] "5*6*1.8mmï؟½ï؟½ï؟½ï؟½ï؟½ï؟½ك£ï؟½"
  rect 1.8x0.55 smd: 1(-2.625,1.905)
  oval 1.8x0.55 smd: 2(-2.625,0.635) 3(-2.625,-0.635) 4(-2.625,-1.905) 5(2.625,-1.905) 6(2.625,-0.635) 7(2.625,0.635) 8(2.625,1.905)
  silkscreen extent -2.69,-2.5 1.52,3.2, body extent -3,-2.5 3,2.5, height 1.9
SOP18W_M [mm] "11.5*10.3*2.6mm£¨³¤؟ي¸ك£©"
  rect 2.1x0.6 smd: 1(-5.025,5.08)
  oval 2.1x0.6 smd: 2(-5.025,3.81) 3(-5.025,2.54) 4(-5.025,1.27) 5(-5.025,0) 6(-5.025,-1.27) 7(-5.025,-2.54) 8(-5.025,-3.81) 9(-5.025,-5.08) 10(5.025,-5.08) 11(5.025,-3.81) 12(5.025,-2.54) 13(5.025,-1.27) 14(5.025,0) 15(5.025,1.27) 16(5.025,2.54) 17(5.025,3.81) 18(5.025,5.08)
  silkscreen extent -5.23,-5.64 3.56,6.5, body extent -5.15,-5.75 5.15,5.75, height 2.7
SOT23-3L [mm] "3x1.3x1mm(ï؟½ï؟½ï؟½ï؟½ï؟½)"
  rect 0.45x1 smd: 1(-0.95,-1.143) 2(0.95,-1.143) 3(0,1.125)
  silkscreen extent -1.5,-0.3 1.5,0.7, body extent -1.5,-1.2 1.5,1.2, height 1.05
SOT23-3N [mm] "3x1.3x1mm(ï؟½ï؟½ï؟½ï؟½ï؟½)"
  rect 0.5x1.2 smd: 1(-0.95,-1.143) 2(0.95,-1.143) 3(0,1.143)
  silkscreen extent -1.5,-0.2 1.5,0.7, body extent -1.5,-1.2 1.5,1.2, height 1.05
TO263-5A [mm] "263ï؟½ï؟½5ï؟½إ¾ï؟½ï؟½ï؟½ï؟½"
  rect 1.05x3.2 smd: 1(-3.4,0) 2(-1.7,0) 3(0,0) 4(1.7,0) 5(3.4,0)
  rect 10.45x10 smd: 3(0,10.414)
  silkscreen extent -6.24,-0.25 5.46,6.04, body extent -5,-0.01 5,13.32, height 4.5
TP15 [mm] "Round SMD Test Pin; 1.5 mm"
  round 1.5 smd: 1(0,0)
  silkscreen extent -0.95,-0.95 0.95,0.95
"TSW SMD-3*6*2.5" [mm] "3*6*2.5mm"
  rect 2x1.5 smd: 1(-3.996,-0.02) 2(3.937,0)
  silkscreen extent -3.21,-1.9 3.09,1.9, body extent -4,-1.88 4,1.62, height 2.59
"Varistor Short Hieght - Straight" [mm] "B57237"
  round 2.2 hole 1: 1(0.3,1.1) 2(7.7,-1.1)
  silkscreen extent -2.1,-1.9 10,2, body extent -2,-1.9 10,1.9, height 13
VSSOP10-N [mm] "1.1 mm max height"
  rrect25% 1.47x0.28 smd: 1(-2.15,1) 2(-2.15,0.5) 3(-2.15,0) 4(-2.15,-0.5) 5(-2.15,-1) 6(2.15,-1) 7(2.15,-0.5) 8(2.15,0) 9(2.15,0.5) 10(2.15,1)
  silkscreen extent -2.46,-1.5 1.14,1.86, body extent -2.45,-1.5 2.45,1.5, height 1.1
XTAL-HC49S-THD [mm]
  round 1.5 hole 0.8: 1(-2.4,0) 2(2.4,0)
  silkscreen extent -5.7,-2.28 5.7,2.28, body extent -5.68,-2.35 5.68,2.3, height 3.5

## Part data
C1 C2 C3 C4 C5 C6 C7 C8 C9 C10 C11 C12 C13 C14 C15 C16 C17 C18 C19 C20 C21 C22 C23 C24: library part C, "Non-polar patch capacitor", BOM名称=无极性贴片电容, 学习资源=www.ooocke.com, 版权归属=源创客
D1 D2 D3 D4 D5 D6 D7 D8: library part M7, "Rectifier diode", BOM名称=整流二极管, 学习资源=www.ooocke.com, 版权归属=源创客
E1 E2 E3 E4: library part C-CM, "Chip electrolytic capacitor", BOM名称=贴片电解电容, 学习资源=www.ooocke.com, 版权归属=源创客
F2: library part FU, "Chip fuse", BOM名称=贴片保险丝, 学习资源=www.ooocke.com, 版权归属=源创客
FB1 FB2 FB3 FB4: library part FB, "Ferrite Bead", BOM名称=贴片电阻, 学习资源=www.ooocke.com, 版权归属=源创客
FL1: "LC EMI Filter 5th Order Low Pass 2 Channel 10A Block, 4 Lead", Package="Block-4 Murata", Availability=Unavailable, MF=Murata, MP=BNX002-01, Price=None, SnapEDA_Link=https://www.snapeda.com/parts/BNX002-01/Murata%20Electronics%20North%20America/view-part/12269/?ref=snap
JP1: "5*2P Connector", BOM名称=5*2P接插件, 学习资源=www.ooocke.com, 版权归属=源创客
JP2 JP19 JP22 JP23 JP24 JP25 JP26 JP27 JP28 JP29: library part "Header 2", "2P Connector", BOM名称=2P接插件, 学习资源=www.ooocke.com, 版权归属=源创客
JP3 JP4 JP5 JP6 JP7 JP8 JP9 JP10 JP11 JP12 JP13 JP14 JP15 JP16 JP17 JP18: library part "Header 3", "3P Connector", BOM名称=3P接插件, 学习资源=www.ooocke.com, 版权归属=源创客
JP20: library part "Header 6", "6P Connector", BOM名称=6P接插件, 学习资源=www.ooocke.com, 版权归属=源创客
L1: library part L-CDRH, "Power shielded inductor", BOM名称=功率屏蔽电感, 学习资源=www.ooocke.com, 版权归属=源创客
L2: library part L, "Low power chip inductor", BOM名称=小功率贴片电感, 学习资源=www.ooocke.com, 版权归属=源创客
LED1 LED2 LED3 LED4 LED5 LED6 LED7 LED8 LED9 LED10 LED11 LED12 LED13 LEDR1 LEDR2 LEDR3 LEDR4 LEDR5 LEDR6 LEDR7 LEDR8: "Patch LED", BOM名称=贴片LED, 学习资源=www.ooocke.com, 版权归属=源创客
OC1 OC2 OC3 OC4 OC5 OC6 OC7 OC8 OC9 OC10 OC11 OC12 OC13 OC14 OC15 OC16: "AC Input Photocoupler", BOM名称=线性光耦, 学习资源=www.ooocke.com, 版权归属=源创客
P?: library part "RJ45 LED"
Q2 Q3 Q4 Q5 Q6 Q7 Q8 Q9: library part 2N7002-SMD, "N-Channel Enhancement Mode Field Effect Transistor"
Q10: library part 8550-SMD, "High Frequency Amplifier-PNP", BOM名称=高频放大-PNP型, 学习资源=www.ooocke.com, 属性="40V 1.5A 1W 100MHZ", 版权归属=源创客
R1 R2 R3 R4 R5 R6 R7 R8 R9 R10 R11 R12 R13 R14 R15 R16 R17 R18 R19 R20 R21 R22 R23 R24 R25 R26 R27 R28 R29 R30 R31 R32 R33 R34 R35 R36 R37 R38 R39 R40 R41 R42 R43 R44 R45 R46 R47 R48 R49 R50 R51 R52 R53 R54 R55 R56 R57 R58 R59 R60 R61 R62 R63 R64 R65 R66 R67 R68 R69 R70 R71 R72 R73 R74 R75 R76 R77 R78 R79 R80 R81 R82 R83 R84 R85 R86 R87 R88 R89 R90 R91 R92 R93 R94 R95 R96 R97 R98 R99 R100 R101 R102 R103 R104 R105 R106 R107 R108 R109 R110 R112 R114 R116 R117 R118 R119 R120 R121 R122 R123 R124 R125 R126 R127 R128 R129 R130 R131 R132 R133 R134 R135 R136 R137 R138 R139 R140 R141 R142 R143 R144 R145 R146 R147 R148 R149 R150 R151 R152 R153 R154 R155 R156 R157 R158 R159 R160 R161 R162 R163 R164 R165 R166 R167 R168 R169 R170 R171 R172 R?: library part R, "Chip resistor", BOM名称="Chip resistor", 学习资源=www.ooocke.com, 版权归属=源创客
RP1: library part RP-THD, "Plug-in potentiometer", BOM名称=插件电位器, 学习资源=www.ooocke.com, 版权归属=源创客
RU1 RU2: library part V, "Versiror"
SW1: "4-way code switch", BOM名称=4路编码开关, 学习资源=www.ooocke.com, 版权归属=源创客
SW3 SW4: library part "TSW 3x6", "3x6 tact switch", BOM名称=3x6轻触开关, 学习资源=www.ooocke.com, 版权归属=源创客
SW?: "7*7 switch", BOM名称=7*7开关, 学习资源=www.ooocke.com, 版权归属=源创客
U1 U3 U4: "8 Bit I/O Expander"
U2: library part LM2596, "DC step-down chip", BOM名称=DC稳压芯片, 学习资源=www.ooocke.com, 版权归属=源创客
U5: "RS485/RS422 Transceivers", BOM名称=MAX232, 学习资源=www.ooocke.com, 版权归属=源创客
U6: Package="Module Espressif Systems", Availability=Unavailable, MF="Espressif Systems", MP=ESP32-WROOM-32D, Price=None, SnapEDA_Link=https://www.snapeda.com/parts/ESP32-WROOM-32D/Espressif%20Systems/view-part/?ref=snap
U7: library part W5500
U8 U9 U10 U11: "Dual op amp", BOM名称=双路运放, 学习资源=www.ooocke.com, 版权归属=源创客
U12: "ADS111x Ultra-Small, Low-Power, I / 2C-Compatible, 860-SPS, 16-Bit ADCs / With Internal Reference, Oscillator, and Programmable Comparator", BOM名称=数字电位器, 学习资源=www.ooocke.com, 版权归属=源创客
VD1: "Schottky diodes", BOM名称=肖特基二极管, 学习资源=www.ooocke.com, 属性=40V/3A, 版权归属=源创客
X1: library part XTAL-2, "2-Pin crystal", BOM名称=2脚晶振, 学习资源=www.ooocke.com, 版权归属=源创客
Z1: "12V/0.5W voltage regulator", BOM名称=12V/0.5W稳压管, 学习资源=www.ooocke.com, 版权归属=源创客
TP1 TP2 TP3 TP4 TP5: Category=MISC, Company="SJ Libraries", ComponentLink1Description=Datasheet, Designer="Eng. Saeid Jorablo", HelpURL=http://s3.picofile.com/file/7443264187/Coming_Soon_logo.gif, Mounting Technology="Surface Mount\Through-Hole", Pin Count=0, Rule="Component Clearance Constraint [Horizontal Clearance = 0mil    Vertical Clearance = 0mil]", Update Date=6/3/2012

## Free pads (board coordinates)
  round 1.524 hole 3: 5(1.778,3.353) 5(1.778,100.432) 5(268.199,100.33) 5(268.249,3.226)

## Via types
v1: diameter 0.9, hole 0.5, Top Layer to Bottom Layer, tented both sides, 350 vias